# Altium PCB LTEWatch.PcbDoc (part 2 of 3) (continued)
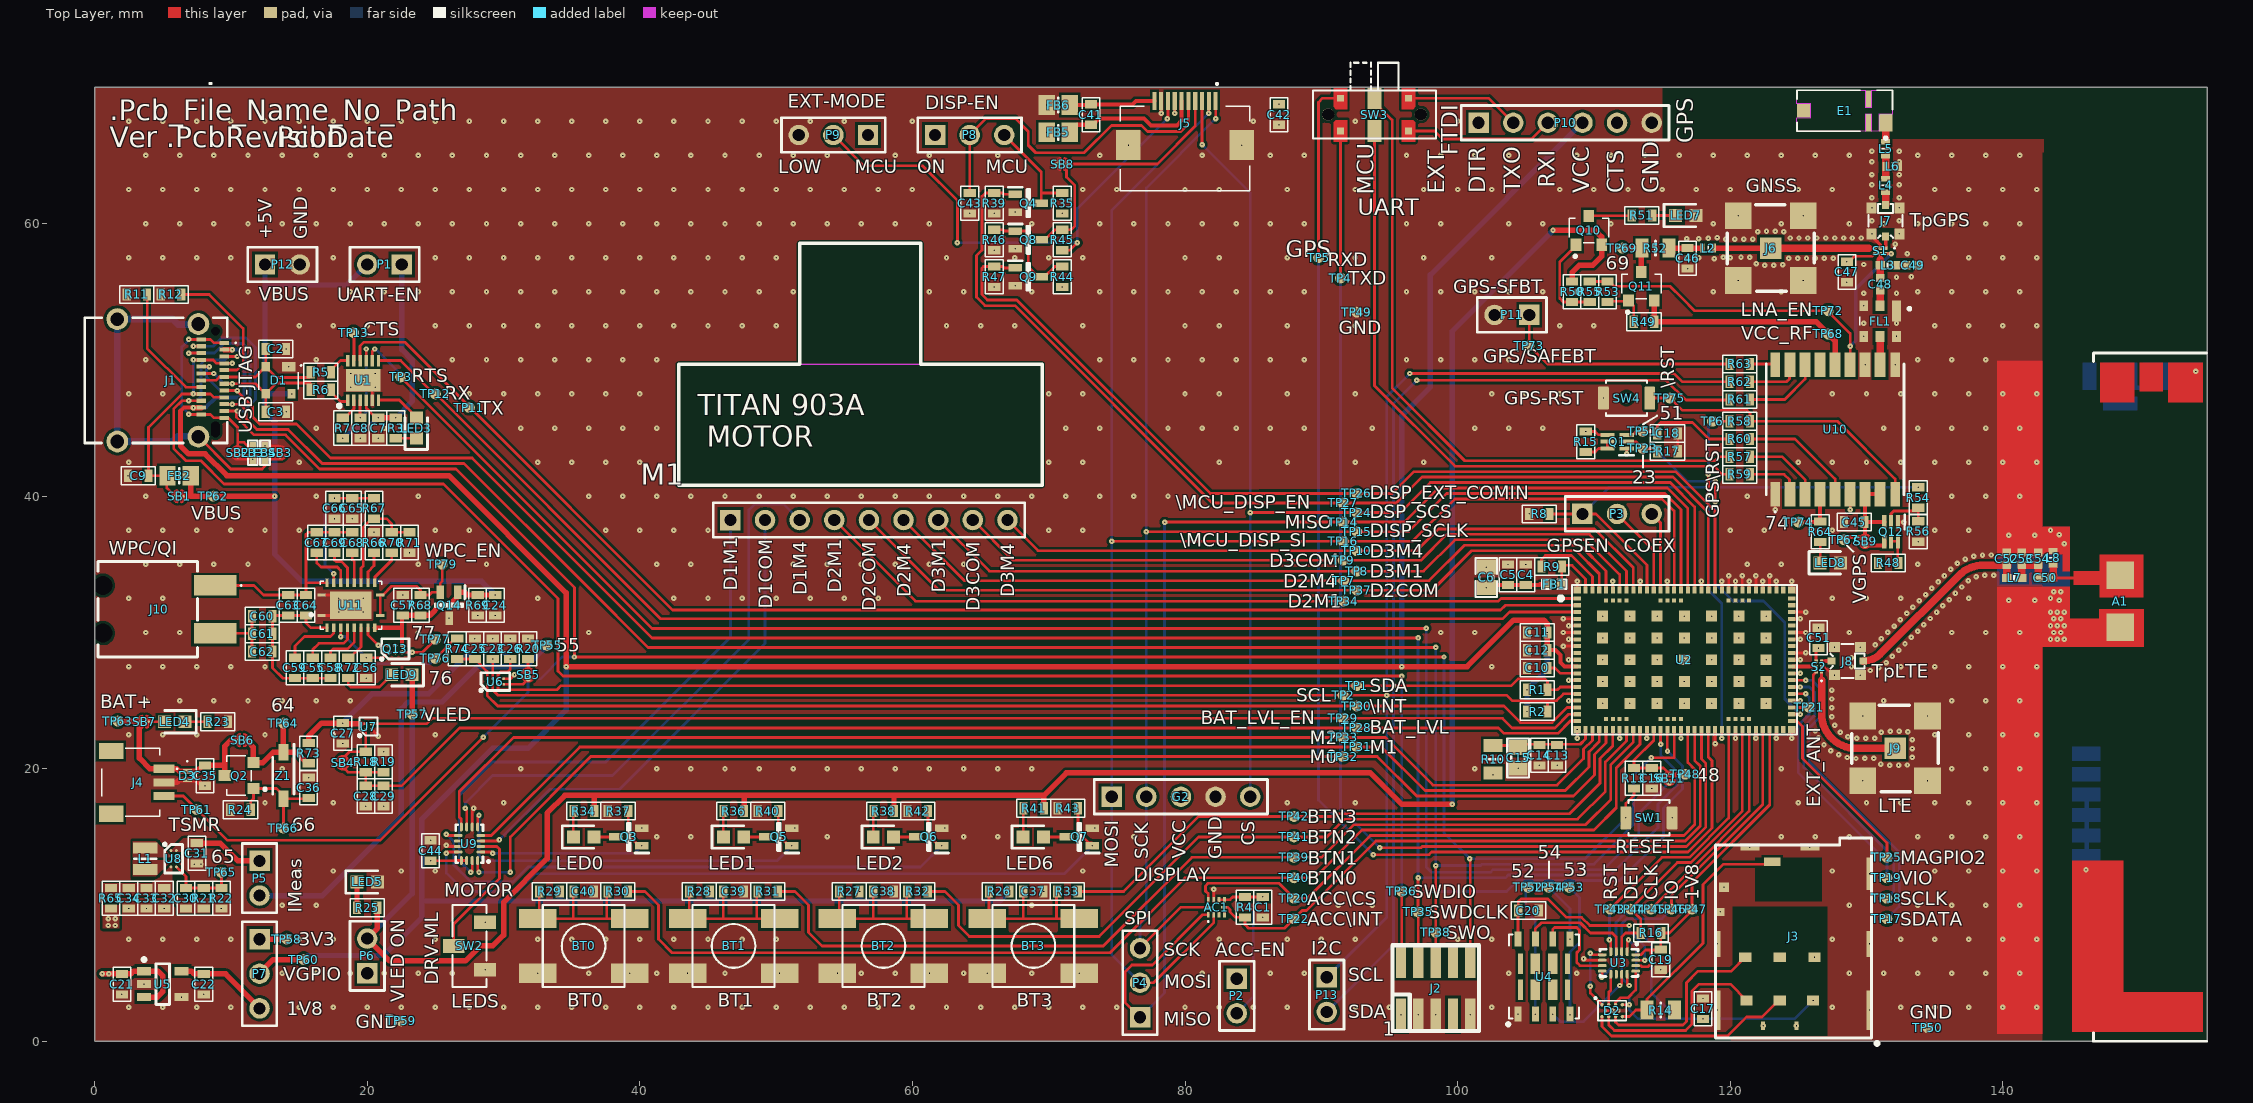
[diagram p0: Top Layer view]
## Part data (continued)
Y1 Y2 Y3 Y4 Y5 Y6 Y7 Y8 Y9 Y10 Y11 Y12 Y13 Y14 Y15: library part "SHUNT JUMPER 2.54mm BLACK GOLD Horizontal", "Shunt Jumper 2.54mm Black", Manufacturer Part Number=SPC02SYAN, Manufacturer_Name="Sullins Connector Solutions", Supplier Part Number 1=S9001-ND, Component Class=Connectors, ComponentLink1Description=Datasheet, ComponentLink1URL=N.A., ComponentLink2Description="Supplier link", ComponentLink2URL=N.A., Footprint Doc="SHUNT JUMPER 2.54mm", Supplier 1=Digi-Key, Unit Price=0.10
Z1: library part D_ZENER_9V1, "Zener Diode 9.1 V 500 mW ±6% Surface Mount SOD-123", Manufacturer_Name="Diodes Inc.", Manufacturer_Part_Number=BZT52C9V1S-7-F, Supplier Part Number 1=BZT52C9V1-FDICT-ND, Datasheet Link=https://www.diodes.com/assets/Datasheets/ds18004.pdf, Height=1.45mm, Supplier 1=Digi-Key, Unit Price=0.30

## Via types
v1: diameter 0.4/0.45/0.45/0.4 (per signal layer), hole 0.1, Top Layer to Bottom Layer, tented both sides, 1178 vias

## Nets (pads, with @x,y where several pads share a name; then routed paths per layer and width w, separated by ;. In a path a pad name is that pad's centre, name@x,y a point inside that pad or via, vN(x,y) a via of type N, cw(c..) or ccw(c..) an arc to the next point about the centre after c; other vN are vias at no path point)
4FF_1V8: C17.2 D2.A4 J3.C1 U3.1 | length 21.3
  Top Layer w0.2: D2.A4@112.09,2.688 v1@112.588,2.688 ; U3.1@112.44,6.578 112.44,7.353 v1(112.54,7.453)
  Bottom Layer w0.2: v1(112.54,7.453) 113.1,6.893 113.1,3.8 112.6,3.3 v1(112.6,2.7) 112.6,2.298 113.248,1.65 v1(118,1.65) 124.73,1.65 126.05,2.97 v1(126.08,3)
4FF_CLK: D2.A2 U3.9 | length 2.3
  Top Layer w0.2: D2.A2@111.09,2.688 111.09,3.603 111.24,3.753 U3.9@111.24,4.928
4FF_IO: D2.A3 U3.13 | length 3.4
  Top Layer w0.2: D2.A3@111.59,2.688 111.59,2.853 111.937,3.2 112.5,3.2 113.065,3.765 U3.13@113.065,5.153
4FF_RST: D2.A1 U3.5 | length 5
  Top Layer w0.2: v1(109.74,4.053) 109.74,3.538 D2.A1@110.59,2.688 ; v1(109.74,6.453) 109.84,6.353 U3.5@110.615,6.353
  Bottom Layer w0.2: v1(109.74,4.053) v1(109.74,6.453)
+1V8: C22.2 P7.3 U5.5 | length 6.8
  Top Layer w0.4: U5.5@6.375,5.15 7.1,5.15 7.3,4.95 C22.2@8,4.95 9.61,4.95 P7.3@12.1,2.46
+3V3: C4.2 C5.2 C6.2 C21.2 C42.2 C44.2 C47.2 C51.2 FB1.1 FB5.2 G2.3 J2.1 J5.7 P2.1 P6.1 P7.1 P8.1 P9.1 Q1.4 Q12.4 R10.1 R15.2 R35.2 R44.2 R48.1 R65.2 S1.4 S2.4 SB9.1 SW2.1 TP58.1 U5.1 U5.3 U9.13 U9.14 U10.6 | length 25.6
  Top Layer w0.2: v1(24.65,13.25) 26.35,13.25 26.375,13.275 U9.13@26.9,13.275 U9.14@27.3,13.275 ; v1(79.25,68.1) J5.7@79.25,69 ; v1(109.4,44.75) 110.09,44.75 110.34,44.5 Q1.4@111,44.5 ; S2.4@126.3,27.9 126.3,28.67 v1(126.48,28.85) ; v1(128.562,57.2) 128.7,57.2 129.1,57.6 130.4,57.6 S1.4@130.6,57.8 ; v1(128.8,39) U10.6@128.8,40.15
  Top Layer w0.3: v1(102.1,33.29) 102.3,33.49 C5.2@103.7,33.49 C4.2@105,33.49 106,33.49 106.05,33.54 FB1.1@106.625,33.54 ; v1(129.9,36.388) 130.253,36.388 131.3,36.388 Q12.4@131.3,36.7
  Top Layer w0.4: v1(0.55,4.95) v1(1.05,4.95) C21.2@2,4.95 2.65,4.95 2.85,5.15 U5.1@3.625,5.15 4.65,5.15 5,4.8 5,3.65 4.6,3.25 U5.3@3.625,3.25 ; P7.1@12.1,7.5 TP58.1@14.3,7.5
  other v1: 95.85,1.953 1,8.5 1.5,8.5 28.65,8.75 1,9 1.5,9 102.6,19.55 130.85,35.05 71,55.35 71,60.75 69.85,66.7 86.9,68.75
/INT: TP30.1 U2.18 U6.A1 | length 82.1
  Top Layer w0.2: U6.A1@28.8,26.2 28.8,25.375 29.575,24.6 TP30.1@92.6,24.6 103.4,24.6 104.62,23.38 106.92,23.38 108.04,24.5 U2.18@108.77,24.5
/MCU_DISP_EN: Q4.1 R39.2 TP27.1 U2.84 | length 77.7
  Top Layer w0.2: Q4.1@67.55,62.15 66.74,62.15 66.64,62.25 R39.2@66,62.25 65.35,62.25 65.1,62 65.1,58.05 64.7,57.65 64.7,54.6 65.324,53.976 67.524,53.976 82,39.5 TP27.1@91.6,39.5 95.5,39.5 97.4,41.4 115.8,41.4 118.39,38.81 U2.84@118.39,33.12
/RST: R58.1 SW4.1 TP75.1 U10.9 | length 21.9
  Top Layer w0.2: SW4.1@114.1,47.2 TP75.1@115.59,47.2 116.49,46.3 121.24,46.3 121.45,46.09 R58.1@121.45,45.5 127.86,45.5 132.1,41.26 U10.9@132.1,40.15
ACC_/CS: AC1.9 TP20.1 U2.37 | length 47
  Top Layer w0.2: AC1.9@81.7,10.4 81.7,10.85 81.55,11 81.5,11 81.5,11.4 81.7,11.6 86.9,11.6 TP20.1@88,10.5 89,10.5 93.6,15.1 116.6,15.1 117.4,15.9 117.4,19.95 116.89,20.46 U2.37@116.89,22.88
ACC_/INT: AC1.5 R4.1 TP22.1 U2.38 | length 46.4
  Top Layer w0.2: AC1.5@82.85,9.85 83.12,9.85 83.3,9.67 83.3,9.5 83.7,9.1 R4.1@84.4,9.1 84.4,8.566 84.666,8.3 87.3,8.3 TP22.1@88,9 88.6,9.6 88.9,9.6 94,14.7 116.7,14.7 117.8,15.8 117.8,20.2 117.39,20.61 U2.38@117.39,22.88
BAT+: C35.2 D3.1 J4.1 Q2.3 SB6.1 SB7.1 TP63.1 | length 14.4
  Top Layer w0.4: TP63.1@1.7,23.5 3.153,23.5 ; SB7.1@3.325,23.45 3.275,23.5 3.275,23.141 3.275,20.775 4.05,20 J4.1@5.088,20 6.025,20 6.2,19.825 D3.1@6.8,19.825 7.525,19.825 7.95,20.25 C35.2@8.1,20.25 9.55,20.25 ; Q2.3@9.55,19.5 9.55,21.662 9.988,22.1 10.325,22.1 SB6.1@10.5,22.1
BAT_LVL: C28.2 C29.2 R18.1 R19.2 SB4.2 TP28.1 U2.20 | length 95.3
  Top Layer w0.2: SB4.2@18.2,20.138 18.349,19.989 18.588,19.75 R18.1@19.9,19.75 ; R19.2@21.2,19.75 R18.1@19.9,19.75 ; U2.20@108.77,23.5 108.265,23.5 107.365,22.6 103.4,22.6 103,23 TP28.1@92.6,23 26.762,23 22.512,18.75 C29.2@21.2,18.75 C28.2@19.9,18.75 R18.1@19.9,19.75
BAT_LVL_EN: TP29.1 U2.19 U7.B2 | length 89.3
  Top Layer w0.2: U7.B2@20.3,23.3 24.35,23.3 24.75,23.7 TP29.1@91.6,23.7 103.3,23.7 104,23 107.14,23 108.14,24 U2.19@108.77,24
BAT_TSMR: J1.A11 J1.B11 J2.10 J4.3 R13.2 SB5.1 SW1.1 TP61.1 U6.D1 | length 190
  Top Layer w0.2: J4.3@5.088,18 6.5,18 TP61.1@7.5,17 9.75,14.75 20.95,14.75 v1(28.5,22.3) ; v1(7.25,51) J1.B11@7.825,51 ; J1.A11@9.525,46.25 v1@10.409,46.25 ; v1@10.4,46.25 10.4,45.8 11.7,44.5 14,44.5 16.5,42 26.5,42 35.2,33.3 v1(35.2,28.2) v1(99,28.2) ; U6.D1@30,26.2 31.425,26.2 31.651,26.426 ; SB5.1@31.8,26.538 31.762,26.538 SB5.1@31.8,26.575 ; v1(31.8,26.6) 32.128,26.6 32.153,26.575 ; v1(100.9,13.4) 100.93,13.37 J2.10@100.93,5.853 ; v1(112.34,16.4) 112.34,17.45 112.94,18.05 R13.2@112.94,18.55
  Bottom Layer w0.2: v1(7.25,51) 8.7,51 9.3,51.6 11.1,51.6 11.8,50.9 11.8,47.1 10.95,46.25 v1(10.45,46.25) v1@10.4,46.25 ; v1(28.5,22.3) 31.8,25.6 ; 31.8,26.057 31.8,25.6 ; 32.725,26.6 32.7,26.6 ; v1(35.2,28.2) 34.3,28.2 32.7,26.6 ; v1(99,28.2) 99,15.3 v1(100.9,13.4) 109.34,13.4 v1(112.34,16.4) ; 31.8,25.6 v1(31.8,26.6) 32.7,26.6
BTN0: R30.1 TP40.1 U2.30 | length 86.7
  Top Layer w0.2: R30.1@39.125,11 40.375,11 41.375,10 41.375,7.5 42.374,6.501 74.501,6.501 80,12 TP40.1@88,12 89.5,12 93,15.5 110,15.5 111.64,17.14 111.64,20.05 113.39,21.8 U2.30@113.39,22.88
BTN1: R31.1 TP39.1 U2.29 | length 74.2
  Top Layer w0.2: R31.1@50.125,11 51.375,11 52.375,10 52.375,8 53.375,7 74,7 80.5,13.5 TP39.1@88,13.5 90,13.5 92.4,15.9 109.4,15.9 111.24,17.74 111.24,20.3 112.89,21.95 U2.29@112.89,22.88
BTN2: R32.1 TP41.1 U2.28 | length 61.5
  Top Layer w0.2: R32.1@61.125,11 62.375,11 63.375,10 63.375,8.5 64.175,7.7 73.7,7.7 81,15 TP41.1@88,15 90.4,15 91.7,16.3 108.8,16.3 110.84,18.34 110.84,20.5 112.39,22.05 U2.28@112.39,22.88
BTN3: R33.1 TP42.1 U2.26 | length 45.9
  Top Layer w0.2: R33.1@72.125,11 75.5,11 81,16.5 TP42.1@88,16.5 91,16.5 91.2,16.7 108.2,16.7 110.44,18.94 110.44,20.74 111.39,21.69 U2.26@111.39,22.88
CC1: J1.A5 R12.1 | length 9.7
  Top Layer w0.2: R12.1@6.35,54.8 8.4,54.8 10.9,52.3 10.9,49.7 10.45,49.25 J1.A5@9.525,49.25
CC2: J1.B5 R11.1 | length 9.1
  Top Layer w0.2: R11.1@3.85,54.8 3.85,50.85 6.7,48 J1.B5@7.825,48
COEX1: P3.2 U2.92 | length 7.3
  Top Layer w0.2: P3.2@111.7,39.3 P3.2@111.7,38.7 114.39,36.01 U2.92@114.39,33.12
COEX2: P3.3 U2.91 | length 6.4
  Top Layer w0.2: P3.3@114.24,39.3 P3.3@114.24,38.7 114.89,38.05 U2.91@114.89,33.12
D1COM: M1.2 U9.3 | length 35.9
  Top Layer w0.2: U9.3@28.325,14.7 29.6,14.7 v1(29.7,14.8)
  Bottom Layer w0.2: v1(29.7,14.8) 33.4,18.5 38.5,18.5 49.19,29.19 M1.2@49.19,38.25
D1M1: M1.1 U9.15 | length 40.2
  Top Layer w0.2: v1(27.6,12.4) 27.7,12.5 U9.15@27.7,13.275
  Bottom Layer w0.2: v1(27.6,12.4) 26.75,13.25 26.75,16.4 26.75,18.05 29.2,20.5 37.5,20.5 46.65,29.65 M1.1@46.65,38.25
D1M4: M1.3 U9.7 | length 41.5
  Top Layer w0.2: v1(27.2,17.1) 27.3,17 U9.7@27.3,15.725
  Bottom Layer w0.2: v1(27.2,17.1) 27.2,17.5 29.2,19.5 38,19.5 48,29.5 48,39 48.4,39.4 50.58,39.4 M1.3@51.73,38.25
D2COM: M1.5 TP37.1 U2.100 | length 58.8
  Top Layer w0.2: M1.5@56.81,38.25 61.96,33.1 TP37.1@92.6,33.1 98.14,33.1 101.04,36 108.7,36 110.39,34.31 U2.100@110.39,33.12
D2M1: M1.4 TP34.1 U2.2 | length 57
  Top Layer w0.2: M1.4@54.27,38.25 60.22,32.3 TP34.1@91.646,32.3 102.99,32.3 103.19,32.5 U2.2@108.77,32.5
D2M4: M1.6 TP7.1 U2.99 | length 56.6
  Top Layer w0.2: M1.6@59.35,38.25 63.8,33.8 TP7.1@91.646,33.8 97.9,33.8 100.5,36.4 109,36.4 110.89,34.51 U2.99@110.89,33.12
D3COM: M1.8 TP9.1 U2.96 | length 52.5
  Top Layer w0.2: M1.8@64.43,38.25 67.38,35.3 TP9.1@91.6,35.3 97.3,35.3 99.2,37.2 100.24,37.2 100.5,37.2 109.69,37.2 112.39,34.5 U2.96@112.39,33.12
D3M1: M1.7 TP8.1 U2.97 | length 54.7
  Top Layer w0.2: M1.7@61.89,38.25 65.64,34.5 TP8.1@92.6,34.5 97.5,34.5 99.8,36.8 100.24,36.8 100.64,36.8 109.34,36.8 111.89,34.25 U2.97@111.89,33.12
D3M4: M1.9 TP10.1 U2.95 | length 50.3
  Top Layer w0.2: M1.9@66.97,38.25 69.22,36 TP10.1@92.6,36 97,36 98.6,37.6 110.04,37.6 112.89,34.75 U2.95@112.89,33.12
DEC0: C10.2 U2.13 | length 2.3
  Top Layer w0.2: C10.2@106.59,27.4 107.14,27.4 107.54,27 U2.13@108.77,27
DISP_EN: C43.2 J5.5 P8.2 | length 25.4
  Top Layer w0.2: C43.2@64.2,62.25 P8.2@64.2,66.5 65.4,67.7 67.55,67.7 68.5,66.75 68.5,65.75 69.05,65.2 72.6,65.2 74.6,67.2 76.8,67.2 77.25,66.75 79.7,66.75 80.25,67.3 J5.5@80.25,69
DISP_EXT_COMIN: Q9.1 R47.2 TP26.1 U2.83 | length 71.9
  Top Layer w0.2: Q9.1@67.55,56.75 66.74,56.75 66.64,56.85 R47.2@66,56.85 65.2,56.85 65.1,56.75 65.1,54.8 65.5,54.4 67.657,54.4 81.857,40.2 85.4,40.2 ; 85.432,40.2 TP26.1@92.6,40.2 95.2,40.2 96.8,41.8 116,41.8 118.89,38.91 U2.83@118.89,33.12
DISP_SCS: G2.5 J5.3 TP24.1 U2.86 | length 93.1
  Top Layer w0.2: v1(81.25,65.8) J5.3@81.25,69 ; v1(84.78,38.8) TP24.1@92.6,38.8 95.8,38.8 98,41 115.6,41 117.39,39.21 U2.86@117.39,33.12
  Bottom Layer w0.2: v1(81.25,65.8) 84.78,62.27 v1(84.78,38.8) G2.5@84.78,17.95 G2.5@84.78,17.7
EXT_COMIN: J5.4 Q8.3 R45.1 SB8.1 | length 19.9
  Top Layer w0.2: Q8.3@69.45,58.8 69.7,58.8 70.45,59.55 R45.1@71,59.55 71.65,59.55 71.9,59.8 71.9,62.82 71.312,63.407 71.312,64.017 SB8.1@71.312,64.37 ; 71.487,64.37 77.97,64.37 80.75,67.15 J5.4@80.75,69
EXT_MODE: J5.8 P9.2 R45.2 | length 37.5
  Top Layer w0.2: P9.2@54.2,66.5 56.459,64.241 60.759,64.241 63.3,61.7 v1(63.3,58.6) ; R45.2@71,58.05 71.55,58.05 v1(72.1,58.6) ; v1(78.7,67.7) 78.75,67.75 J5.8@78.75,69
  Bottom Layer w0.2: v1(63.3,58.6) v1(72.1,58.6) 72.1,61.1 v1(78.7,67.7)
GND: A1.2 AC1.8 BT0.2 BT1.2 BT2.1 BT3.1 C1.1 C2.1 C3.1 C4.1 C5.1 C6.1 C7.1 C8.1 C9.1 C10.1 C11.1 C12.1 C13.1 C14.1 C15.1 C16.1 C17.1 C18.1 C19.1 C20.1 C21.1 C22.1 C23.1 C24.2 C25.1 C26.1 C27.1 C28.1 C29.1 C31.1 C32.1 C33.1 C34.1 C35.1 C36.1 C37.1 C38.1 C39.1 C40.1 C42.1 C43.1 C44.1 C45.1 C46.1 C47.1 C49.1 C51.1 C52.1 C53.1 C54.1 C56.1 C57.1 C65.1 C66.1 D1.1 D2.B1 D2.B2 D3.2 FB3.1 FB4.2 FB6.1 FL1.1 FL1.3 FL1.4 FL1.6 G2.4 J2.3 J2.5 J2.9 J3.0 J3.C5 J3.CSW J4.2 J5.9 J5.MP1 J5.MP2 J6.1 J6.2 J6.3 J6.4 J7.2 J8.2 J9.1 J9.2 J9.3 J9.4 L6.1 L8.2 LED5.2 LED7.2 LED8.2 P9.3 P10.6 P11.2 P12.2 Q1.1 Q3.2 Q4.2 Q5.2 Q6.2 Q7.2 Q8.2 Q9.2 Q12.1 Q14.3 R8.1 R11.2 R12.2 R17.1 R19.1 R20.1 R22.1 R23.1 R24.1 R37.1 R39.1 R40.1 R42.1 R43.1 R46.1 R47.1 R56.1 R66.1 R69.1 R71.1 S1.2 S2.2 SB2.1 SB3.1 SB8.2 SW1.2 SW2.3 SW4.2 TP49.1 TP50.1 TP59.1 U1.5 U1.13 U2.1 U2.5 U2.6 U2.7 U2.8 U2.9 U2.11 U2.14 U2.17 U2.21 U2.27 U2.31 U2.36 U2.41 U2.44 U2.47 U2.50 U2.52 U2.56 U2.60 U2.62 U2.63 U2.65 U2.66 U2.68 U2.69 U2.72 U2.74 U2.75 U2.76 U2.77 U2.78 U2.79 U2.80 U2.81 U2.82 U2.85 U2.90 U2.94 U2.98 U2.103 U3.6 U4.1 U5.2 U5.4 U6.D2 U7.B1 U8.B2 U8.C2 U9.6 U9.11 U10.1 U10.10 U10.12 U11.1 U11.20 U11.21 | length 54.1
  Top Layer w0.15: S2.2@126.7,27.5 126.9,27.5 127.525,26.875 v1(127.65,26.875)
  Top Layer w0.2: 10.5,42.713 10.647,42.713 11.213,42.713 11.225,42.725 FB3.1@11.6,42.725 ; FB4.2@12.5,43.675 13.437,43.675 13.47,43.642 SB3.1@13.6,43.512 ; U11.1@16.65,31.25 18.05,31.25 v1(18.8,32) 18.05,32.75 U11.20@16.65,32.75 ; U11.21@19.475,31.275 v1(19.7,31.5) ; U7.B1@20.3,22.9 v1(20.8,22.4) ; U1.5@20.375,47.05 20.375,47.775 v1(20.6,48) ; v1(25.8,14.4) 25.9,14.3 U9.11@26.675,14.3 ; U9.6@27.7,15.725 27.7,17 v1(27.8,17.1) ; U6.D2@30,26.6 30.5,26.6 v1(30.8,26.9) ; v1(78.25,68.1) J5.9@78.25,69 ; AC1.8@82.1,10.4 v1(82.1,11.15) ; v1@107.84,29 U2.9@108.77,29 ; v1@107.84,30 U2.7@108.77,30 ; v1@107.84,31 U2.5@108.77,31 ; v1(108.14,25) U2.17@108.77,25 ; v1(108.14,26.5) U2.14@108.77,26.5 ; v1(108.14,28) U2.11@108.77,28 ; v1(108.14,29.5) U2.8@108.77,29.5 ; v1(108.14,30.5) U2.6@108.77,30.5 ; v1(108.77,22.25) v1(108.77,22.88) ; U2.1@108.77,33.12 v1(108.77,33.75) ; v1(109.24,6.053) 109.34,5.953 U3.6@110.615,5.953 ; D2.B1@110.84,2.253 v1(111.34,2.253) D2.B2@111.84,2.253 ; U2.98@111.39,33.12 v1(111.39,33.75) ; v1(111.89,22.25) U2.27@111.89,22.88 ; v1(112.4,43.1) Q1.1@112.4,43.5 ; U2.94@113.39,33.12 v1(113.39,33.75) ; v1(113.89,22.25) U2.31@113.89,22.88 ; U2.90@115.39,33.12 v1(115.39,33.75) ; v1(116.15,43.3) C18.1@116.15,44.6 ; v1(116.39,22.25) U2.36@116.39,22.88 ; U2.85@117.89,33.12 v1(117.89,33.75) ; v1@118.89,21.95 U2.41@118.89,22.88 ; U2.82@119.39,33.12 v1(119.39,33.75) ; U2.81@119.89,33.12 v1@119.89,34.05 ; v1(120.39,22.25) U2.44@120.39,22.88 ; U2.80@120.39,33.12 v1(120.39,33.75) ; U2.79@120.89,33.12 v1@120.89,34.05 ; U2.78@121.39,33.12 v1(121.39,33.75) ; v1(121.89,22.25) U2.47@121.89,22.88 ; U2.77@121.89,33.12 v1@121.89,34.05 ; U2.76@122.39,33.12 v1(122.39,33.75) ; U2.75@122.89,33.12 v1@122.89,34.05 ; v1(123.3,39) U10.1@123.3,40.15 ; v1(123.39,22.25) U2.50@123.39,22.88 ; U2.74@123.39,33.12 v1(123.39,33.75) ; v1(124.51,22.25) U2.52@124.51,22.88 ; U2.56@124.51,25 v1(125.14,25) ; U2.60@124.51,27 v1(125.14,27) ; U2.62@124.51,28 v1(125.14,28) ; U2.63@124.51,28.5 v1@125.44,28.5 ; U2.65@124.51,29.5 v1(125.14,29.5) ; U2.66@124.51,30 v1@125.44,30 ; U2.68@124.51,31 v1(125.14,31) ; U2.69@124.51,31.5 v1@125.44,31.5 ; U2.72@124.51,33.12 v1(124.51,33.75) ; Q12.1@132.3,38.1 v1(132.725,38.1)
  Top Layer w0.25: J7.2@130.375,59.075 131,58.45 S1.2@131,58.2 ; J7.2@130.4,59.075 v1(130.4,59.25)
  Top Layer w0.4: J4.2@5.088,19 6.025,19 6.2,19.175 D3.2@6.8,19.175 7.525,19.175 7.95,18.75 v1(8.1,18.75)
  other v1: 134.5,1 122.42,1.15 124.86,1.15 22.5,1.5 97.12,1.953 98.39,1.953 100.93,1.953 104.435,2.003 119.045,2.3 130.22,2.3 2.5,2.5 5,2.5 7.5,2.5 10,2.5 15,2.5 17.5,2.5 20,2.5 22.5,2.5 25,2.5 27.5,2.5 30,2.5 32.5,2.5 35,2.5 37.5,2.5 40,2.5 42.5,2.5 45,2.5 47.5,2.5 50,2.5 52.5,2.5 55,2.5 57.5,2.5 60,2.5 62.5,2.5 65,2.5 67.5,2.5 70,2.5 72.5,2.5 75,2.5 80,2.5 82.5,2.5 85,2.5 87.5,2.5 92.5,2.5 95,2.5 102.5,2.5 127.5,2.5 132.5,2.5 135,2.5 137.5,2.5 140,2.5 142.5,2.5 118,3.15 6.375,3.25 2,3.45 8,3.45 3.625,4.2 13.75,5 16.25,5 18.75,5 21.25,5 23.75,5 26.25,5 32.5,5 36.25,5 39.25,5 41.25,5 43.5,5 46.25,5 50.25,5 54.5,5 56.25,5 58.75,5 61.25,5 63.75,5 65.5,5 68.75,5 72.25,5 81.25,5 86.25,5 88.75,5 103.75,5 108.75,5 128.75,5 131.25,5 133.75,5 136.25,5 138.75,5 141.25,5 28.65,5.25 114.9,5.25 126.18,6.17 119.045,7.15 130.22,7.15 2.5,7.5 5,7.5 7.5,7.5 10,7.5 15,7.5 17.5,7.5 25,7.5 32.5,7.5 35,7.5 37.5,7.5 40,7.5 42.5,7.5 45,7.5 47.5,7.5 50,7.5 82.5,7.5 87.5,7.5 90,7.5 92.5,7.5 100,7.5 102.5,7.5 127.5,7.5 132.5,7.5 135,7.5 137.5,7.5 140,7.5 142.5,7.5 85.7,9.1 119.27,9.5 105.95,9.6 2.5,9.75 3.8,9.75 5.1,9.75 9.3,9.75 13.75,10 16.25,10 68.75,10 91.25,10 93.75,10 128.75,10 133.75,10 136.25,10 138.75,10 141.25,10 36.625,11 47.625,11 58.625,11 69.625,11 119.545,11.3 20.75,11.7 130.22,12.3 15,12.5 17.5,12.5 22.5,12.5 25,12.5 72.5,12.5 127.5,12.5 135,12.5 137.5,12.5 140,12.5 142.5,12.5 7.3,13 7.8,13 121.44,14.25 125.84,14.25 24.65,14.75 41.25,15 43.75,15 53.75,15 63.75,15 66.25,15 76.25,15 123.75,15 126.25,15 128.75,15 133.75,15 136.25,15 138.75,15 141.25,15 40.15,15.65 51.375,15.65 62.375,15.65 73.375,15.65 115.74,16.4 37.65,16.9 48.65,16.9 59.65,16.9 9.95,17 70.65,17.1 19.9,17.25 21.2,17.25 12.5,17.5 17.5,17.5 30,17.5 87.5,17.5 92.5,17.5 125,17.5 130,17.5 132.5,17.5 135,17.5 137.5,17.5 140,17.5 142.5,17.5 114.24,18.55 129.725,19.125 134.475,19.125 15.7,19.35 13.75,20 31.25,20 41.25,20 43.75,20 46.25,20 48.75,20 51.25,20 53.75,20 56.25,20 58.75,20 61.25,20 63.75,20 66.25,20 68.75,20 101.25,20 123.75,20 136.25,20 138.75,20 141.25,20 104.44,20.05 106,20.25 107.3,20.25 131.696,20.252 132.35,20.252 133.004,20.276 131.049,20.347 129.231,20.755 129.885,20.757 130.539,20.757 128.581,20.827 133.348,20.832 127.958,21.023 21.2,21.25 127.382,21.334 133.348,21.486 126.881,21.755 18.2,21.85 118.89,21.85 133.348,22.14 129.285,22.243 129.939,22.243 130.593,22.243 126.48,22.271 128.64,22.352 2.5,22.5 5,22.5 7.5,22.5 12.5,22.5 17.5,22.5 25,22.5 135,22.5 137.5,22.5 140,22.5 142.5,22.5 128.075,22.681 131.083,22.676 133.04,22.717 131.733,22.748 132.387,22.748 126.25,22.8 127.665,23.191 9.788,23.451 127.464,23.813 129.725,23.875 134.475,23.875 127.443,24.467 110.64,24.8 112.64,24.8 114.64,24.8 116.64,24.8 118.64,24.8 120.64,24.8 122.64,24.8 3.75,25 6.25,25 8.75,25 11.25,25 13.75,25 16.25,25 18.75,25 131.25,25 136.25,25 138.75,25 141.25,25 127.443,25.121 127.443,25.775 110.64,26.4 112.64,26.4 114.64,26.4 116.64,26.4 118.64,26.4 120.64,26.4 122.64,26.4 19.925,26.65 129.55,26.875 130.274,27.209 105.09,27.4 130.891,27.428 128.9,27.477 2.5,27.5 5,27.5 7.5,27.5 10,27.5 12.5,27.5 102.5,27.5 132.5,27.5 135,27.5 137.5,27.5 140,27.5 142.5,27.5 131.433,27.794 110.64,28 112.64,28 114.64,28 116.64,28 118.64,28 120.64,28 122.64,28 128.9,28.13 131.901,28.25 125.54,28.5 105.09,28.7 132.364,28.713 127.65,28.925 129.55,28.925 107.74,29 130.633,29.084 132.826,29.175 143.5,29.5 144,29.5 144.5,29.5 131.095,29.546 27.9,29.55 29.2,29.55 30.5,29.55 31.8,29.55 110.64,29.6 112.64,29.6 114.64,29.6 116.64,29.6 118.64,29.6 120.64,29.6 122.64,29.6 133.289,29.638 3.75,30 6.25,30 23.75,30 36.25,30 98.75,30 101.25,30 105.09,30 107.74,30 125.54,30 128.75,30 136.25,30 138.75,30 141.25,30 143.75,30 144.25,30 131.558,30.009 133.751,30.1 126.48,30.35 132.02,30.471 143.5,30.5 144,30.5 144.5,30.5 134.214,30.563 132.483,30.934 107.74,31 143.75,31 144.25,31 134.676,31.025 26,31.05 110.64,31.2 112.64,31.2 114.64,31.2 116.64,31.2 118.64,31.2 120.64,31.2 122.64,31.2 28.1,31.25 29.4,31.25 132.945,31.396 17.9,31.5 125.54,31.5 135.139,31.487 143.5,31.5 144,31.5 144.5,31.5 133.408,31.859 135.601,31.95 133.87,32.321 140.434,32.35 142.35,32.35 144.154,32.35 136.063,32.412 2.5,32.5 5,32.5 17.9,32.5 19.7,32.5 32.5,32.5 42.5,32.5 45,32.5 47.5,32.5 50,32.5 52.5,32.5 55,32.5 57.5,32.5 127.5,32.5 130,32.5 132.5,32.5 137.5,32.5 143.5,32.5 22.6,32.75 134.332,32.784 136.526,32.875 143.75,33 144.25,33 134.795,33.246 136.988,33.337 135.257,33.709 137.462,33.788 138.036,34.101 119.89,34.15 120.89,34.15 121.89,34.15 122.89,34.15 135.72,34.171 138.683,34.197 139.337,34.197 136.182,34.633 102.1,34.79 3.75,35 6.25,35 8.75,35 11.25,35 23.75,35 28.75,35 41.25,35 43.75,35 51.25,35 53.75,35 56.25,35 58.75,35 61.25,35 63.75,35 103.7,34.99 105,34.99 121.25,35 123.75,35 133.75,35 128.1,35.06 136.674,35.064 137.242,35.389 137.862,35.596 138.511,35.682 139.165,35.683 23.1,35.85 144.5,36.5 133.8,36.66 140.434,37.14 142.35,37.14 144.154,37.186 20.5,37.35 2.5,37.5 5,37.5 7.5,37.5 10,37.5 12.5,37.5 15,37.5 25,37.5 27.5,37.5 37.5,37.5 40,37.5 42.5,37.5 45,37.5 70,37.5 72.5,37.5 120,37.5 122.5,37.5 127.5,37.5 135,37.5 137.5,37.5 143.5,37.5 128.35,38.1 17.6,38.35 18.9,38.35 105.25,38.7 3.75,40 16.25,40 23.75,40 36.25,40 38.75,40 41.25,40 43.75,40 46.25,40 48.75,40 51.25,40 53.75,40 56.25,40 58.75,40 61.25,40 63.75,40 66.25,40 68.75,40 71.25,40 73.75,40 76.25,40 78.75,40 121.25,40 136.25,40 138.75,40 141.25,40 2.45,41.5 2.5,42.5 15,42.5 32.5,42.5 35,42.5 37.5,42.5 40,42.5 70,42.5 72.5,42.5 82.5,42.5 87.5,42.5 92.5,42.5 97.5,42.5 125,42.5 127.5,42.5 130,42.5 132.5,42.5 135,42.5 137.5,42.5 140,42.5 142.5,42.5 11.6,42.7 12.5,43.7 19.5,44.25 20.8,44.25 16.25,45 21.25,45 31.25,45 33.75,45 36.25,45 38.75,45 41.25,45 71.25,45 73.75,45 78.75,45 81.25,45 83.75,45 86.25,45 88.75,45 93.75,45 101.25,45 103.75,45 106.25,45 131.25,45 133.75,45 136.25,45 138.75,45 141.25,45 14.05,46.2 110.7,47.2 2.5,47.5 5,47.5 27.5,47.5 30,47.5 32.5,47.5 35,47.5 37.5,47.5 40,47.5 70,47.5 72.5,47.5 80,47.5 82.5,47.5 87.5,47.5 92.5,47.5 102.5,47.5 105,47.5 107.5,47.5 127.5,47.5 130,47.5 132.5,47.5 135,47.5 137.5,47.5 140,47.5 142.5,47.5 18.8,48 19.7,48.5 18.8,49 20.6,49 14.25,49.5 129.9,49.65 132.1,49.65 3.75,50 16.25,50 26.25,50 28.75,50 31.25,50 33.75,50 36.25,50 38.75,50 41.25,50 73.75,50 76.25,50 78.75,50 81.25,50 83.75,50 86.25,50 88.75,50 96.25,50 98.75,50 101.25,50 103.75,50 133.75,50 136.25,50 138.75,50 14.05,50.8 129.8,51.725 132.2,51.725 15,52.5 17.5,52.5 20,52.5 25,52.5 27.5,52.5 30,52.5 32.5,52.5 35,52.5 37.5,52.5 40,52.5 42.5,52.5 45,52.5 47.5,52.5 50,52.5 62.5,52.5 65,52.5 67.5,52.5 72.5,52.5 80,52.5 82.5,52.5 87.5,52.5 92.5,52.5 107.5,52.5 110,52.5 135,52.5 137.5,52.5 140,52.5 142.5,52.5 129.8,52.7 132.2,52.7 92.6,53.5 129.8,53.975 2.35,54.8 4.85,54.8 129.8,54.9 132.2,54.9 11.25,55 18.75,55 21.25,55 23.75,55 26.25,55 28.75,55 31.25,55 33.75,55 36.25,55 38.75,55 41.25,55 43.75,55 46.25,55 48.75,55 51.25,55 61.25,55 63.75,55 68.75,55 73.75,55 76.25,55 78.75,55 81.25,55 83.75,55 86.25,55 88.75,55 96.25,55 98.75,55 101.25,55 103.75,55 106.25,55 108.75,55 118.75,55 123.75,55 133.75,55 136.25,55 138.75,55 141.25,55 66,55.35 67.55,55.45 128.562,55.7 120.6,55.825 125.35,55.825 132.2,56.05 133.3,56.1 116.875,56.7 122.544,56.952 123.198,56.952 133.86,56.95 123.852,56.97 129.8,57 121.9,57.063 118.84,57.412 124.289,57.457 124.943,57.457 125.597,57.457 126.251,57.457 126.905,57.457 127.559,57.457 2.5,57.5 5,57.5 7.5,57.5 10,57.5 17.5,57.5 25,57.5 27.5,57.5 30,57.5 32.5,57.5 35,57.5 37.5,57.5 40,57.5 42.5,57.5 45,57.5 47.5,57.5 50,57.5 62.5,57.5 67.5,57.5 70,57.5 72.5,57.5 80,57.5 82.5,57.5 87.5,57.5 92.5,57.5 97.5,57.5 102.5,57.5 116.8,57.5 117.7,57.5 120,57.5 135,57.5 137.5,57.5 140,57.5 142.5,57.5 119.483,57.533 120.791,57.533 121.445,57.533 133,57.8 66,58.05 67.55,58.15 132.1,58.5 119.684,58.867 120.338,58.867 120.992,58.867 121.646,58.867 116.8,58.9 117.7,58.9 118.388,58.912 124.393,58.943 125.047,58.943 125.701,58.943 126.355,58.943 127.009,58.943 127.663,58.943 128.317,58.943 128.971,58.943 129.625,58.943 119.039,58.975 132.4,59.25 122.009,59.41 123.937,59.413 122.662,59.448 123.316,59.448 3.75,60 6.25,60 8.75,60 11.25,60 13.75,60 16.25,60 18.75,60 21.25,60 23.75,60 26.25,60 28.75,60 31.25,60 33.75,60 36.25,60 38.75,60 41.25,60 43.75,60 46.25,60 48.75,60 51.25,60 53.75,60 56.25,60 58.75,60 61.25,60 68.75,60 73.75,60 76.25,60 78.75,60 81.25,60 83.75,60 86.25,60 88.75,60 96.25,60 98.75,60 103.75,60 106.25,60 111.25,60 118.75,60 123.75,60 128.75,60 131.25,60 133.75,60 136.25,60 138.75,60 141.25,60 130.4,60.2 132.4,60.2 120.6,60.575 125.35,60.575 117.475,60.6 64.2,60.75 66,60.75 67.55,60.85 130.4,61.15 132.4,61.15 130.4,61.9 132.4,61.9 2.5,62.5 5,62.5 7.5,62.5 10,62.5 12.5,62.5 15,62.5 17.5,62.5 20,62.5 22.5,62.5 25,62.5 27.5,62.5 30,62.5 32.5,62.5 35,62.5 37.5,62.5 40,62.5 42.5,62.5 45,62.5 47.5,62.5 50,62.5 52.5,62.5 55,62.5 57.5,62.5 60,62.5 72.5,62.5 75,62.5 80,62.5 82.5,62.5 87.5,62.5 92.5,62.5 97.5,62.5 100,62.5 102.5,62.5 107.5,62.5 110,62.5 112.5,62.5 115,62.5 117.5,62.5 120,62.5 122.5,62.5 125,62.5 127.5,62.5 135,62.5 137.5,62.5 140,62.5 142.5,62.5 130.4,62.85 132.4,62.85 130.4,63.6 132.4,63.6 70.688,64.37 130.4,64.55 132.4,64.55 3.75,65 6.25,65 8.75,65 11.25,65 13.75,65 16.25,65 18.75,65 21.25,65 23.75,65 26.25,65 28.75,65 31.25,65 33.75,65 36.25,65 38.75,65 41.25,65 43.75,65 46.25,65 48.75,65 51.25,65 53.75,65 58.75,65 61.25,65 66.25,65 73.75,65 81.25,65 86.25,65 88.75,65 96.25,65 98.75,65 101.25,65 103.75,65 108.75,65 111.25,65 113.75,65 116.25,65 118.75,65 121.25,65 123.75,65 126.25,65 128.75,65 133.75,65 136.25,65 138.75,65 141.25,65 130.4,65.3 132.4,65.3 75.85,65.75 84.15,65.75 86.9,67.25 2.5,67.5 5,67.5 7.5,67.5 10,67.5 12.5,67.5 15,67.5 17.5,67.5 20,67.5 22.5,67.5 25,67.5 27.5,67.5 30,67.5 32.5,67.5 35,67.5 37.5,67.5 40,67.5 42.5,67.5 45,67.5 47.5,67.5 50,67.5 52.5,67.5 55,67.5 60,67.5 85,67.5 92.5,67.5 100,67.5 69.85,68.7
GPS-/RST: R58.2 TP6.1 U2.42 | length 25.7
  Top Layer w0.2: v1(118.4,40.1) v1(118.4,41.6) ; v1(118.7,45.5) R58.2@119.95,45.5 ; v1@119.39,22.25 U2.42@119.39,22.88
  Bottom Layer w0.2: v1(118.4,40.1) 118.4,33.1 119.39,32.11 v1@119.39,22.25 ; v1(118.4,41.6) 118.4,45.2 v1(118.7,45.5)
  other v1: 119.39,22.225
GPS-EN: P3.1 R8.2 R54.1 U2.93 | length 36
  Top Layer w0.2: R8.2@106.75,38.7 P3.1@109.16,38.7 110.14,38.7 113.89,34.95 U2.93@113.89,33.12
  Bottom Layer w0.2: P3.1@109.16,38.7 111.11,40.65 v1(133.8,40.65) v1@133.819,40.65
GPS-RXD: SW3.3 TP5.1 U2.40 | length 91.6
  Top Layer w0.2: v1(89.8,57.5) 89.8,68.9 90.1,69.2 SW3.3@91.4,69.2 ; v1(93.8,13.7) 97.9,13.7 98.1,13.9 116.9,13.9 118.66,15.66 118.66,20.59 118.39,20.86 U2.40@118.39,22.88
  Bottom Layer w0.2: v1(89.8,57.5) 89.8,17.7 v1(93.8,13.7)
GPS-TXD: SW3.6 TP4.1 U2.39 | length 85.6
  Top Layer w0.2: v1(91.4,56) 91.4,56.2 SW3.6@91.4,66.7 ; v1(94.3,14.2) 97.3,14.2 97.4,14.3 116.8,14.3 118.213,15.713 118.213,20.4 117.89,20.723 U2.39@117.89,22.88
  Bottom Layer w0.2: 91.4,17 v1(91.4,56) ; 91.4,17.1 v1(94.3,14.2)